# Altium PCB PC104_M7_4L.PcbDoc (part 1 of 3)
Units mil, origin at the board's own origin, x right, y up, seen from the top; angles counter-clockwise.
Board outline 3550 x 3775.2 mil, 4 copper layers (Top Layer, Layer 1, Layer 2, Bottom Layer), stack 59.772 mil thick; 122 components, 127 nets, 614 pads, 468 vias.
Unrouted connection lines stored in the file: 7.
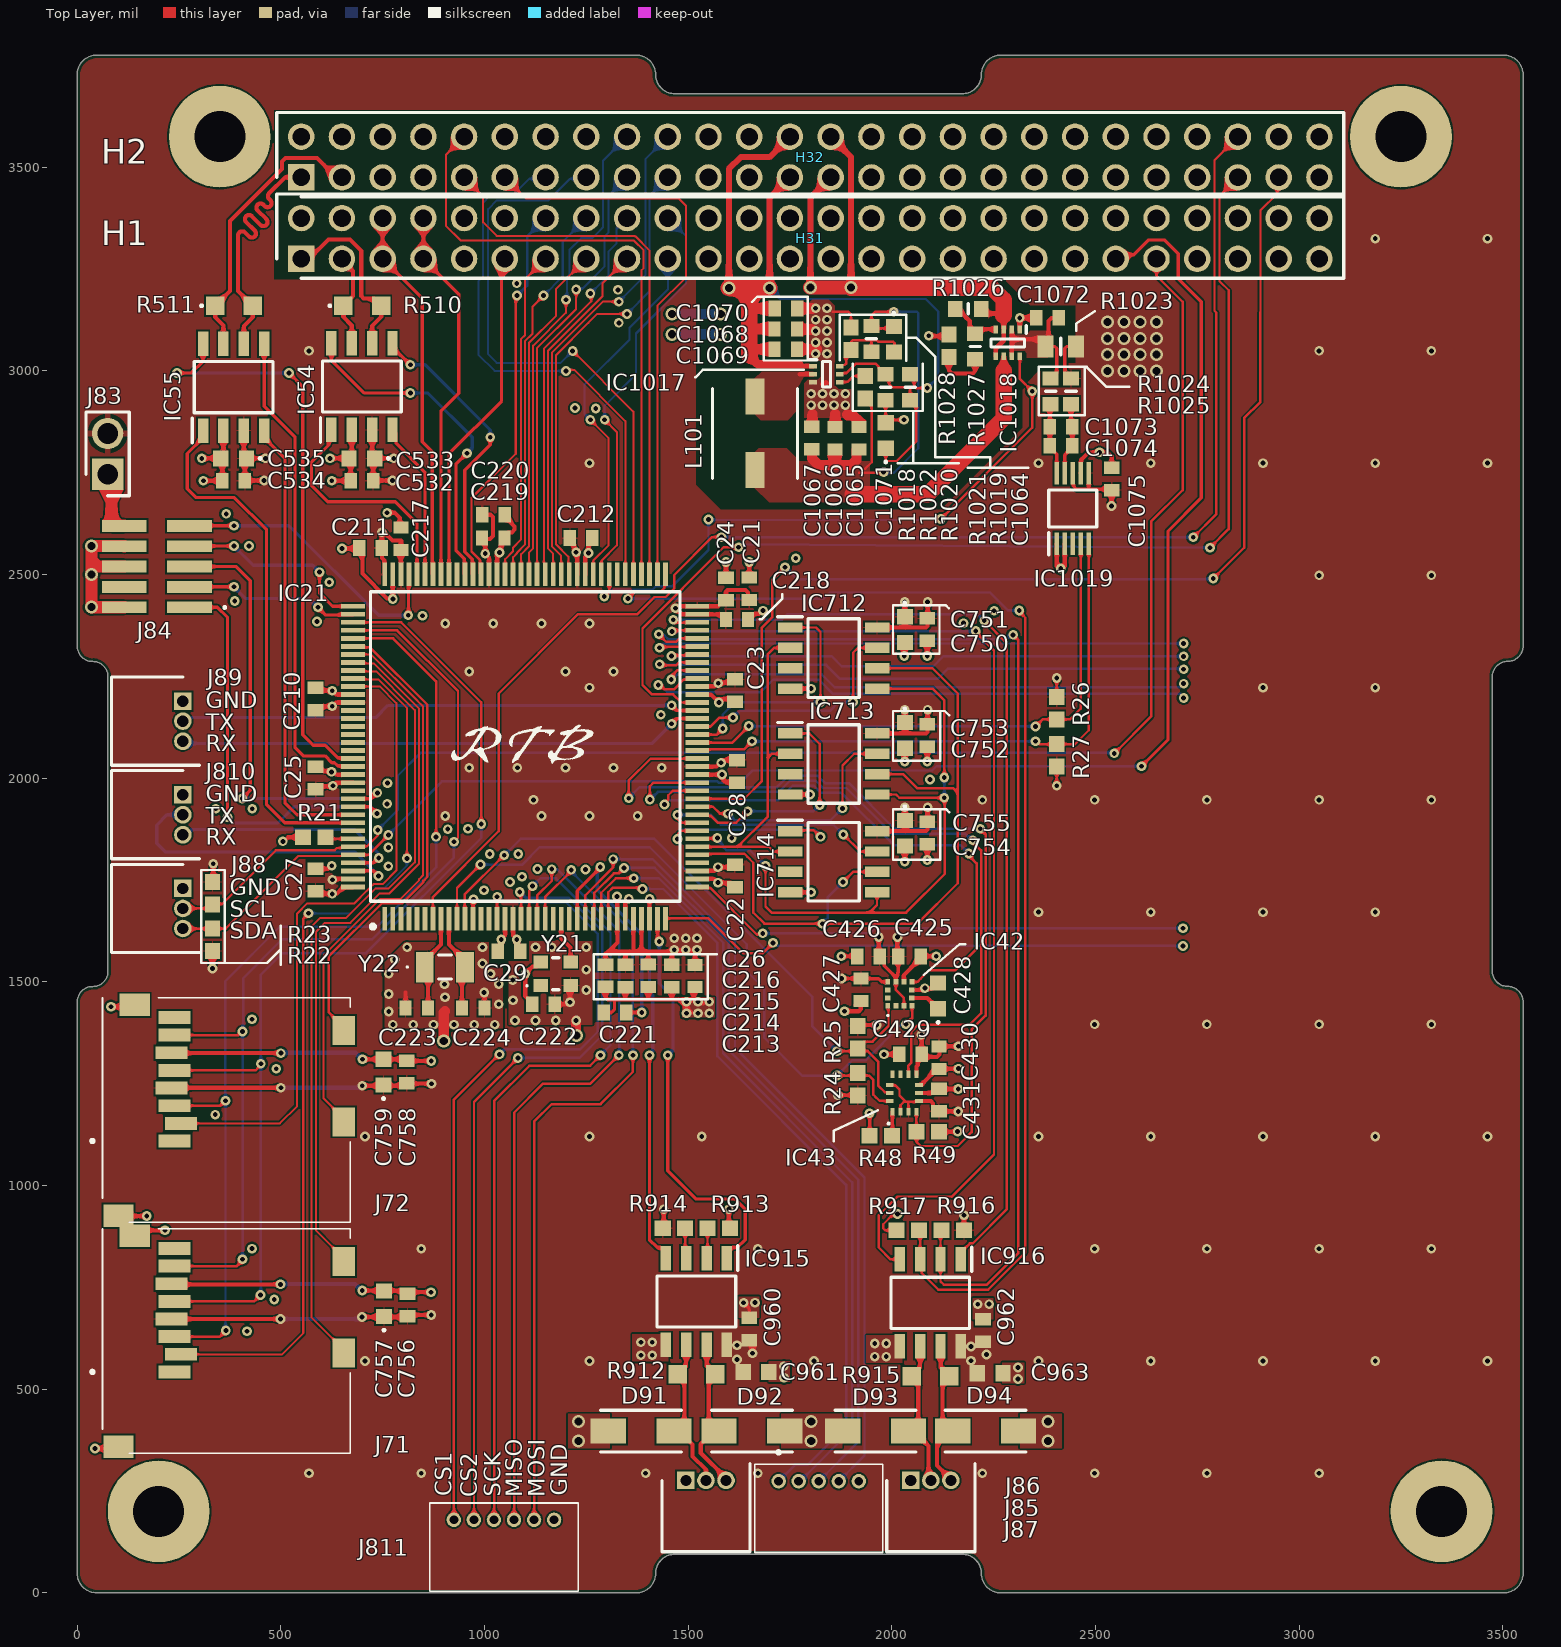
[diagram p0: Top Layer view]
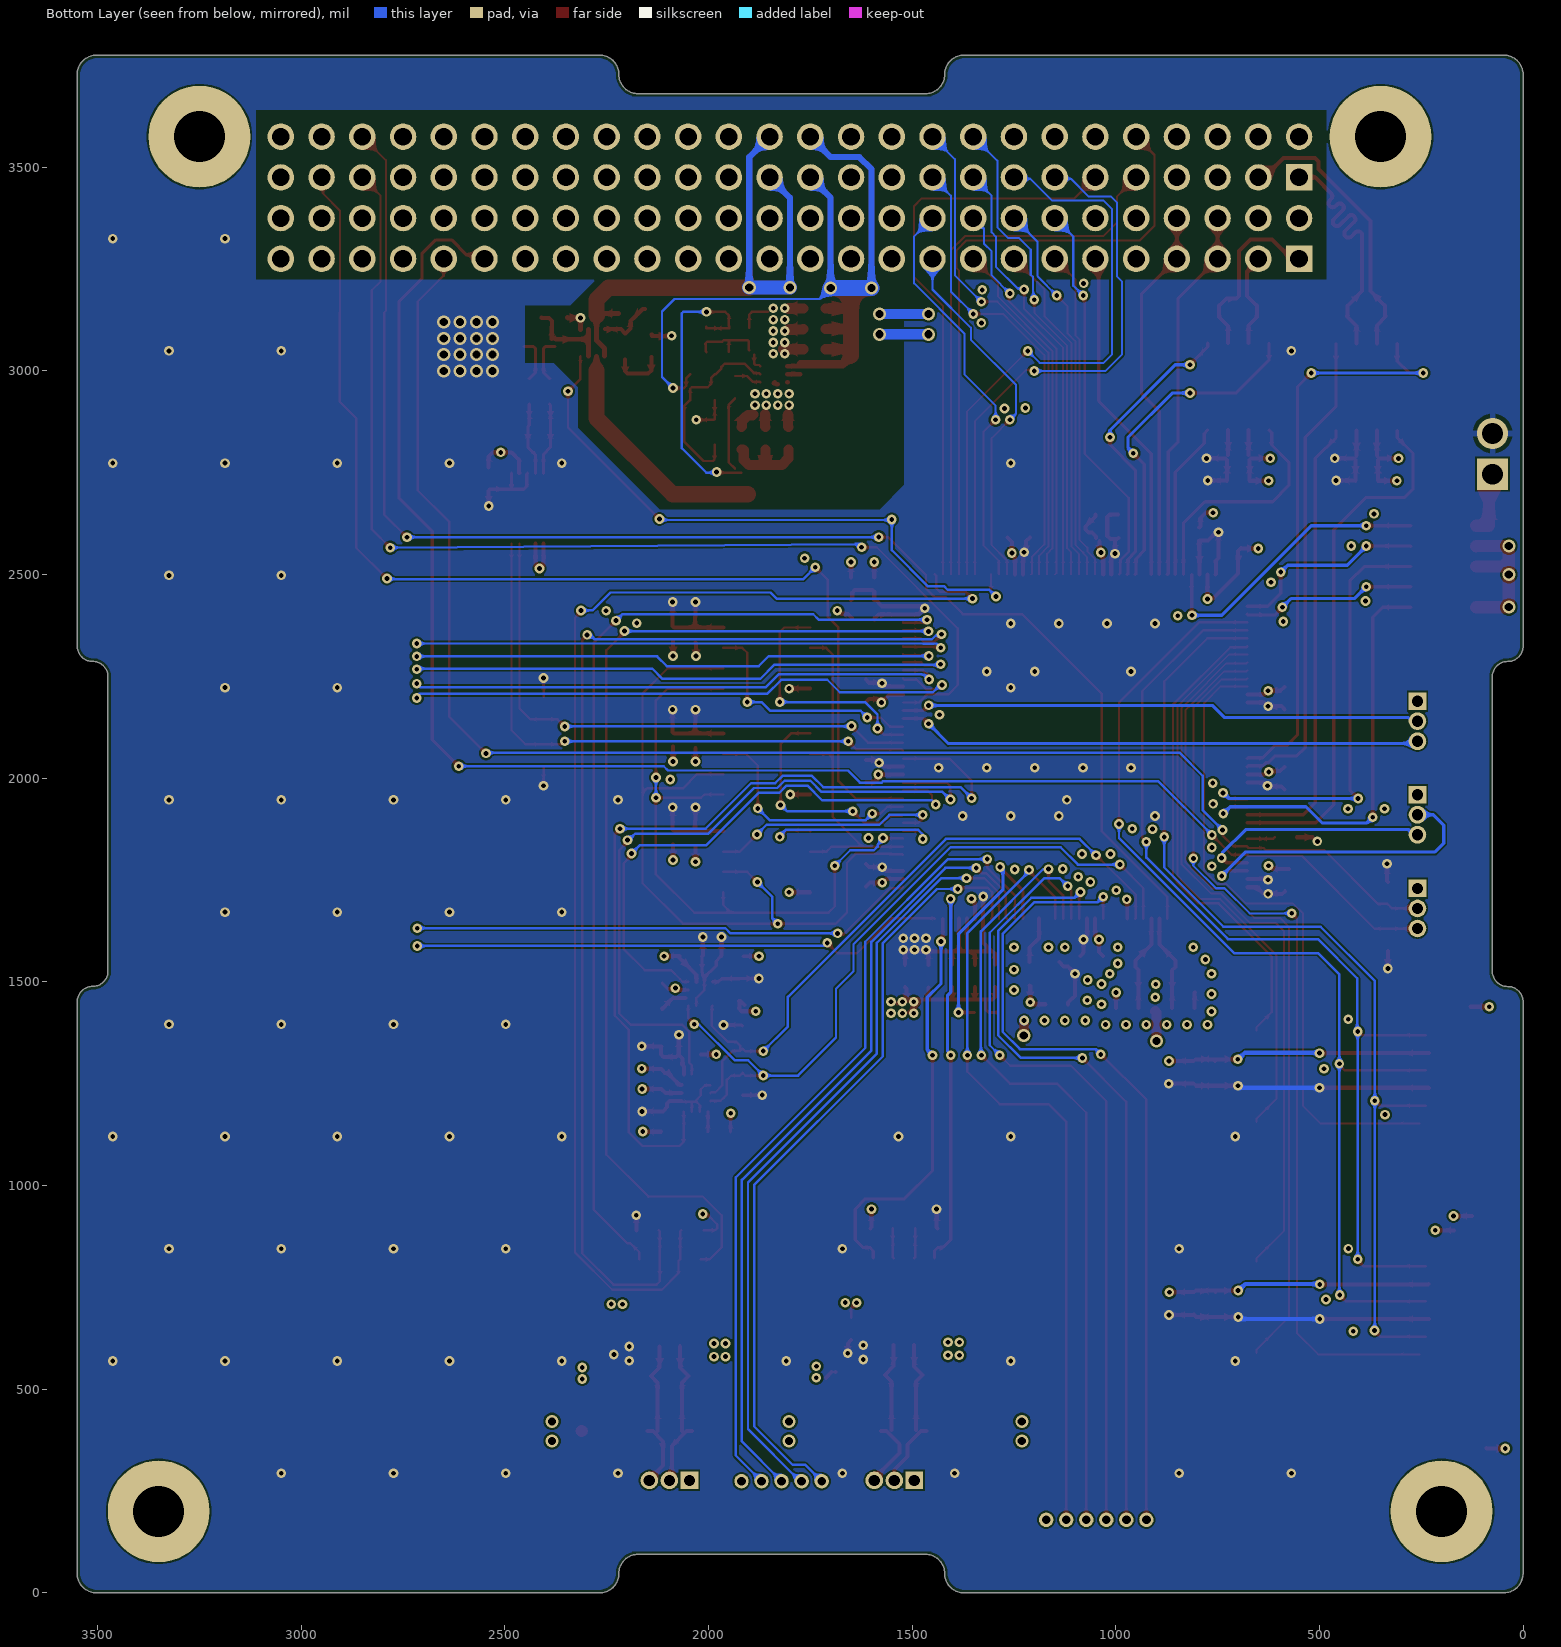
[diagram p1: Bottom Layer view, seen from below]
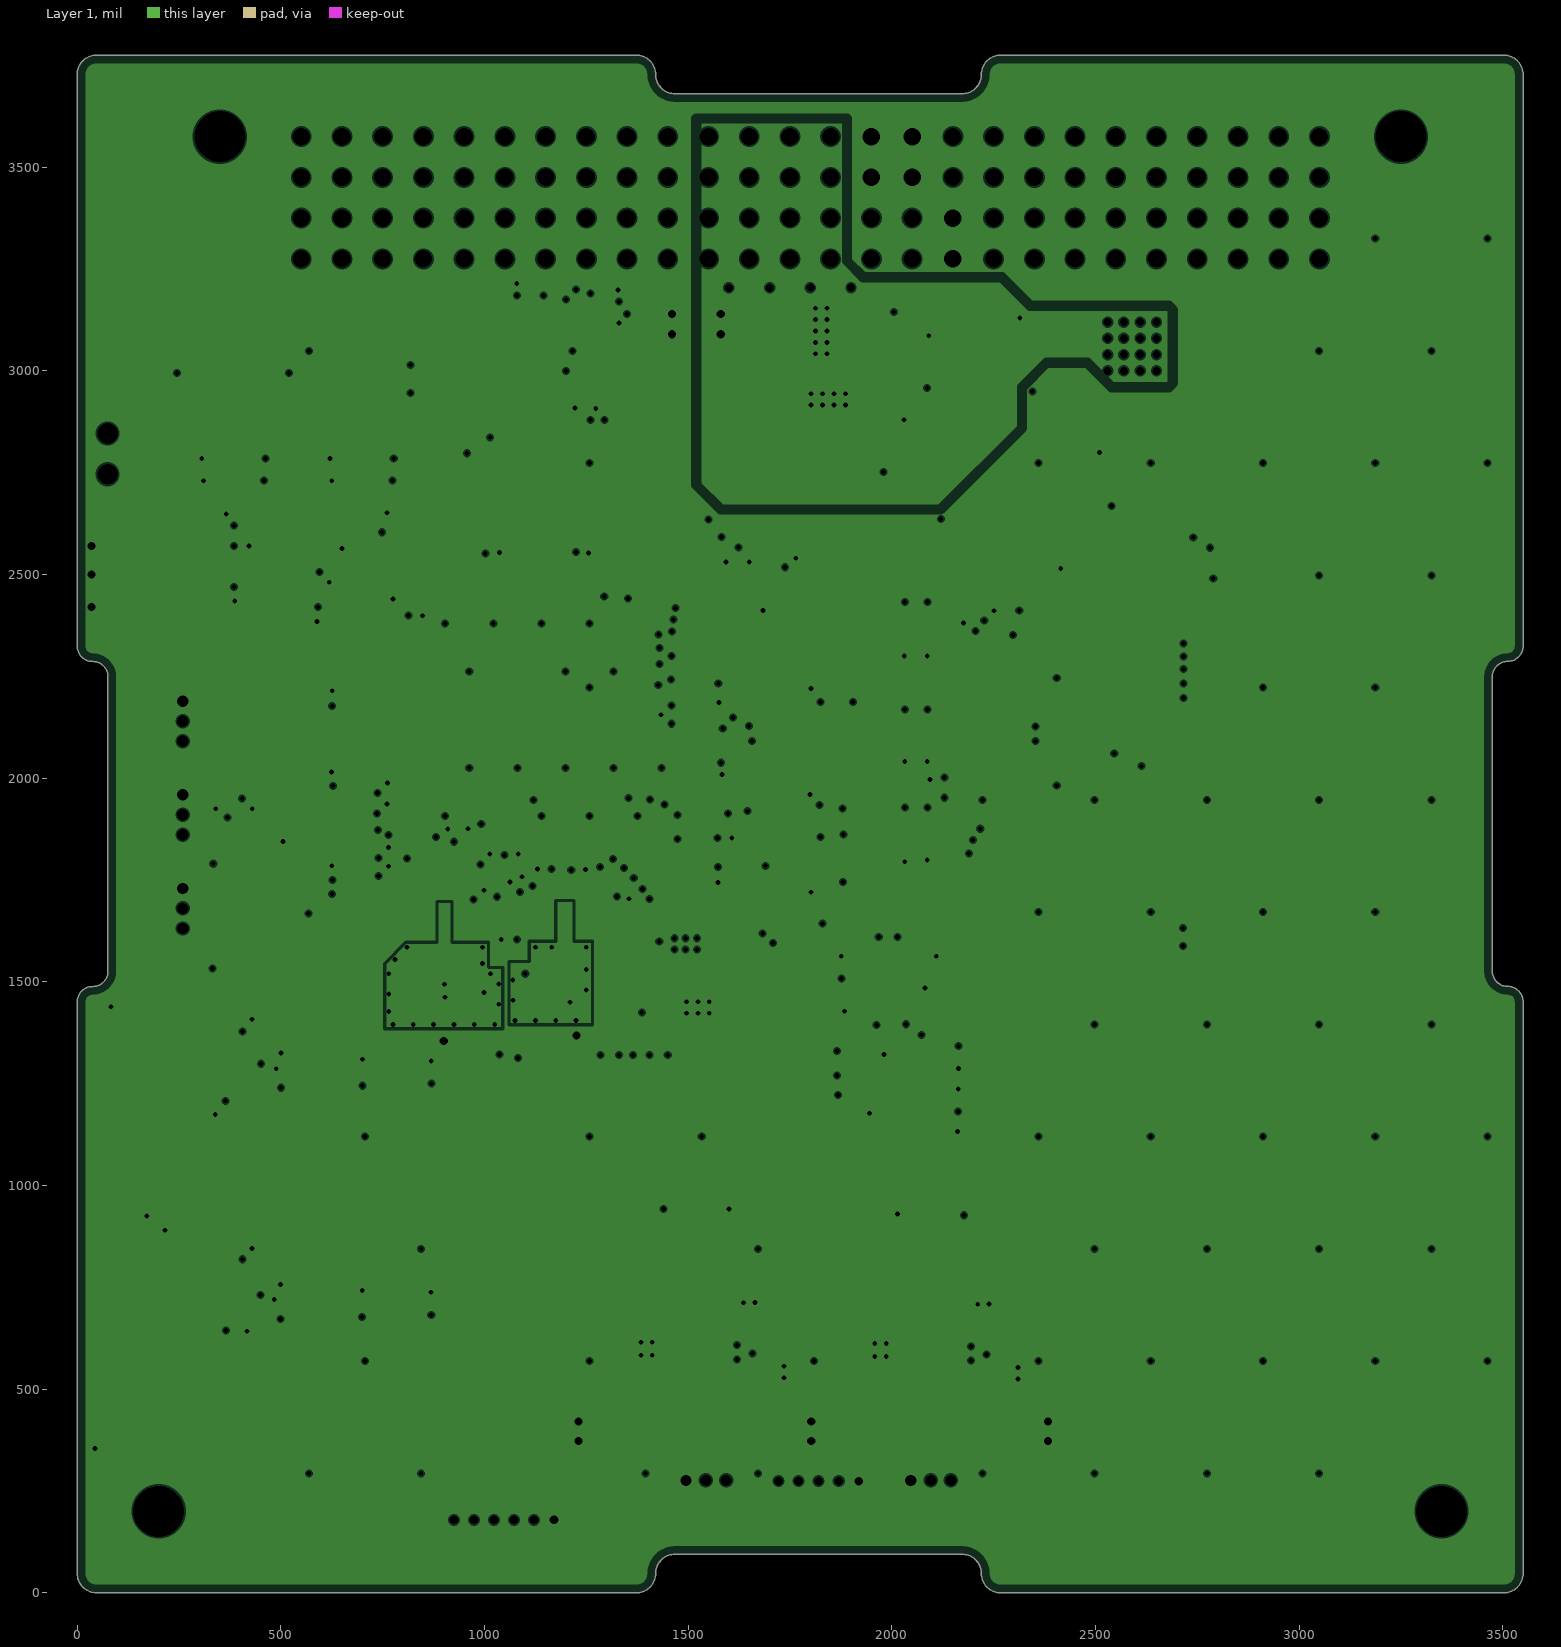
[diagram p2: Layer 1, clearances drawn from the general rule]
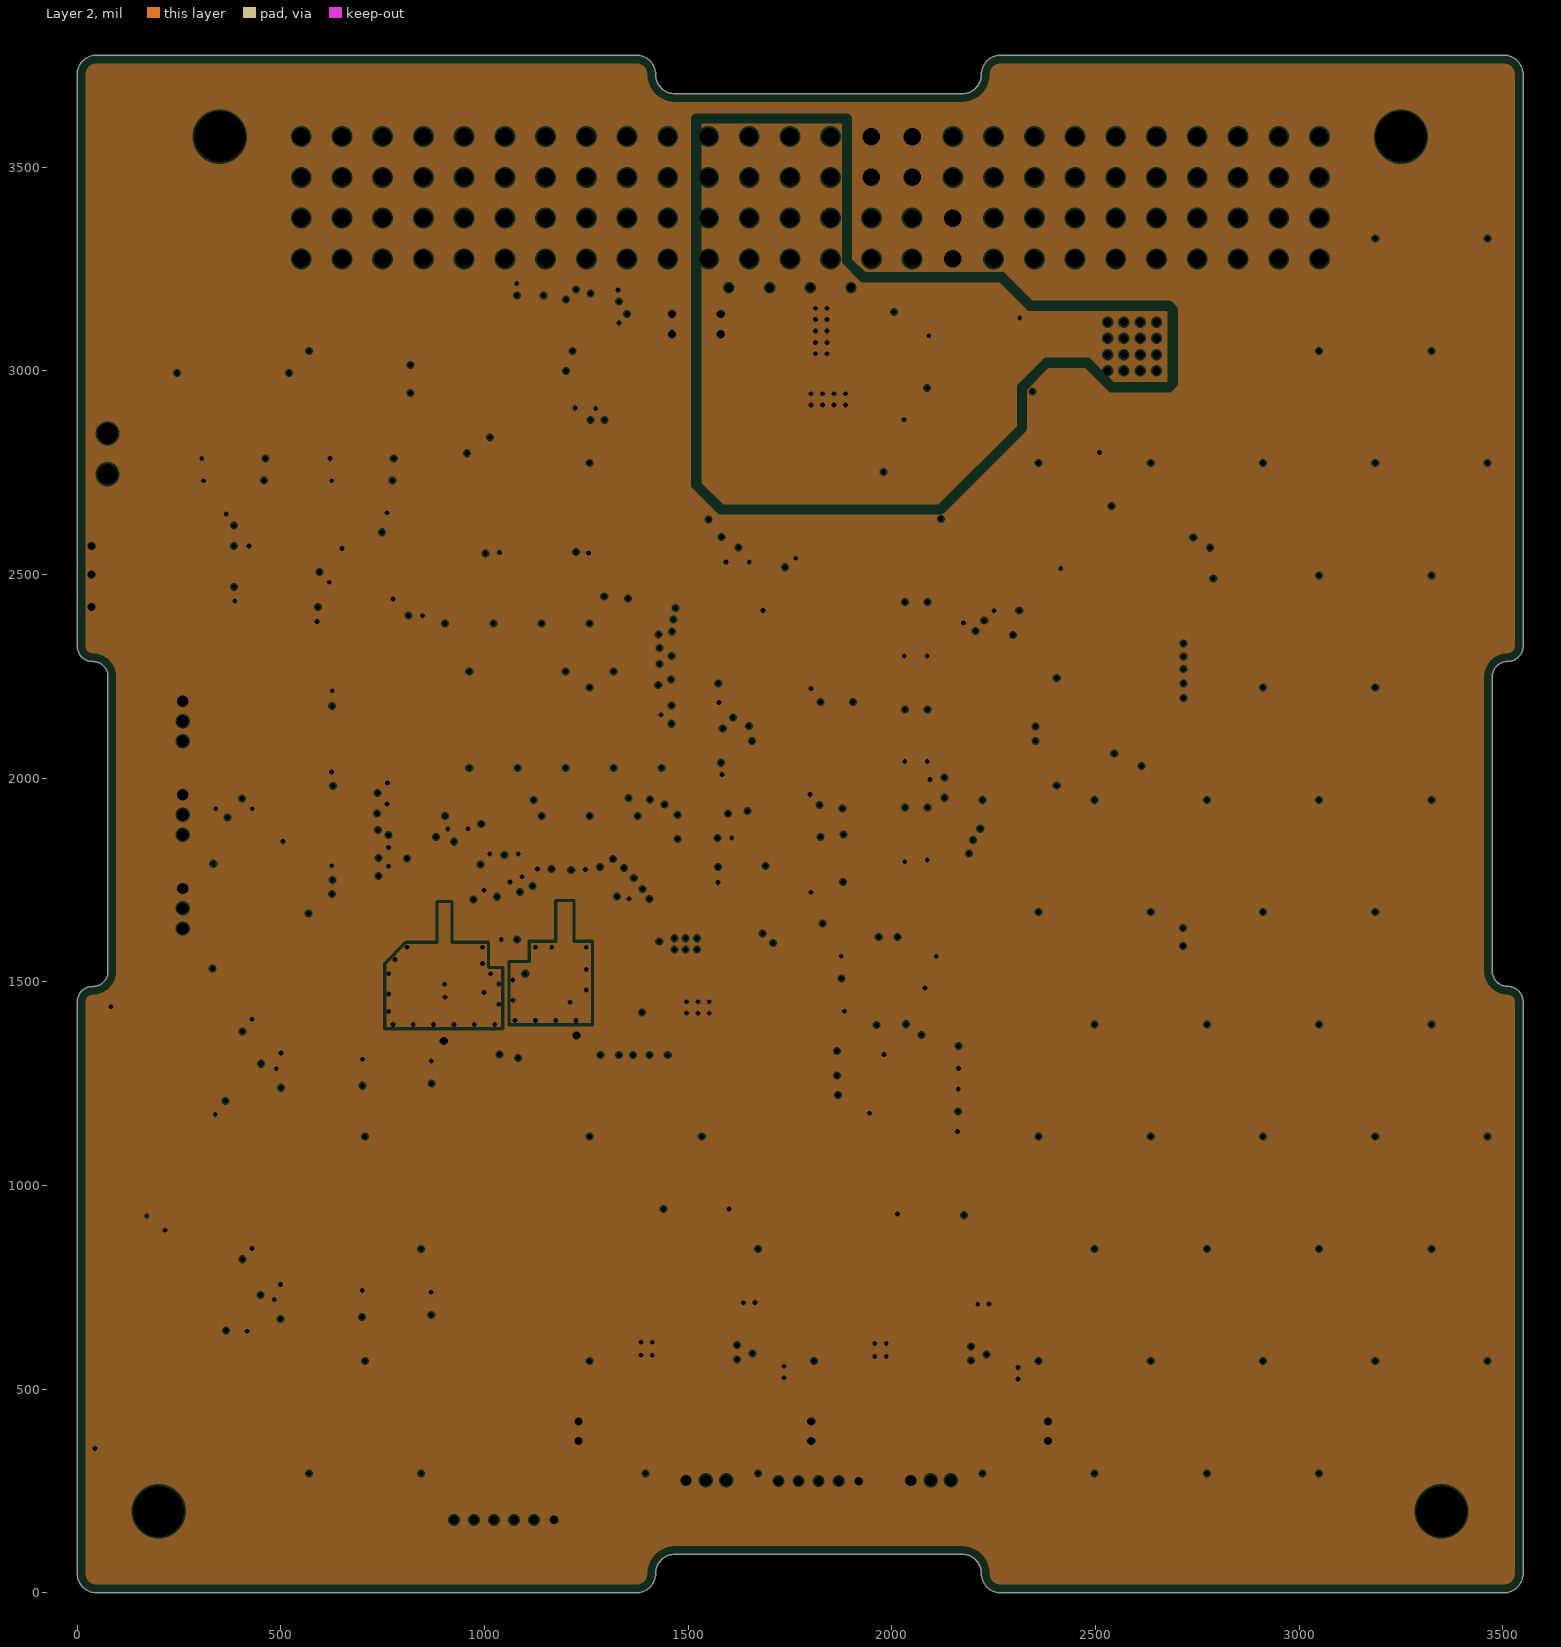
[diagram p3: Layer 2, clearances drawn from the general rule]
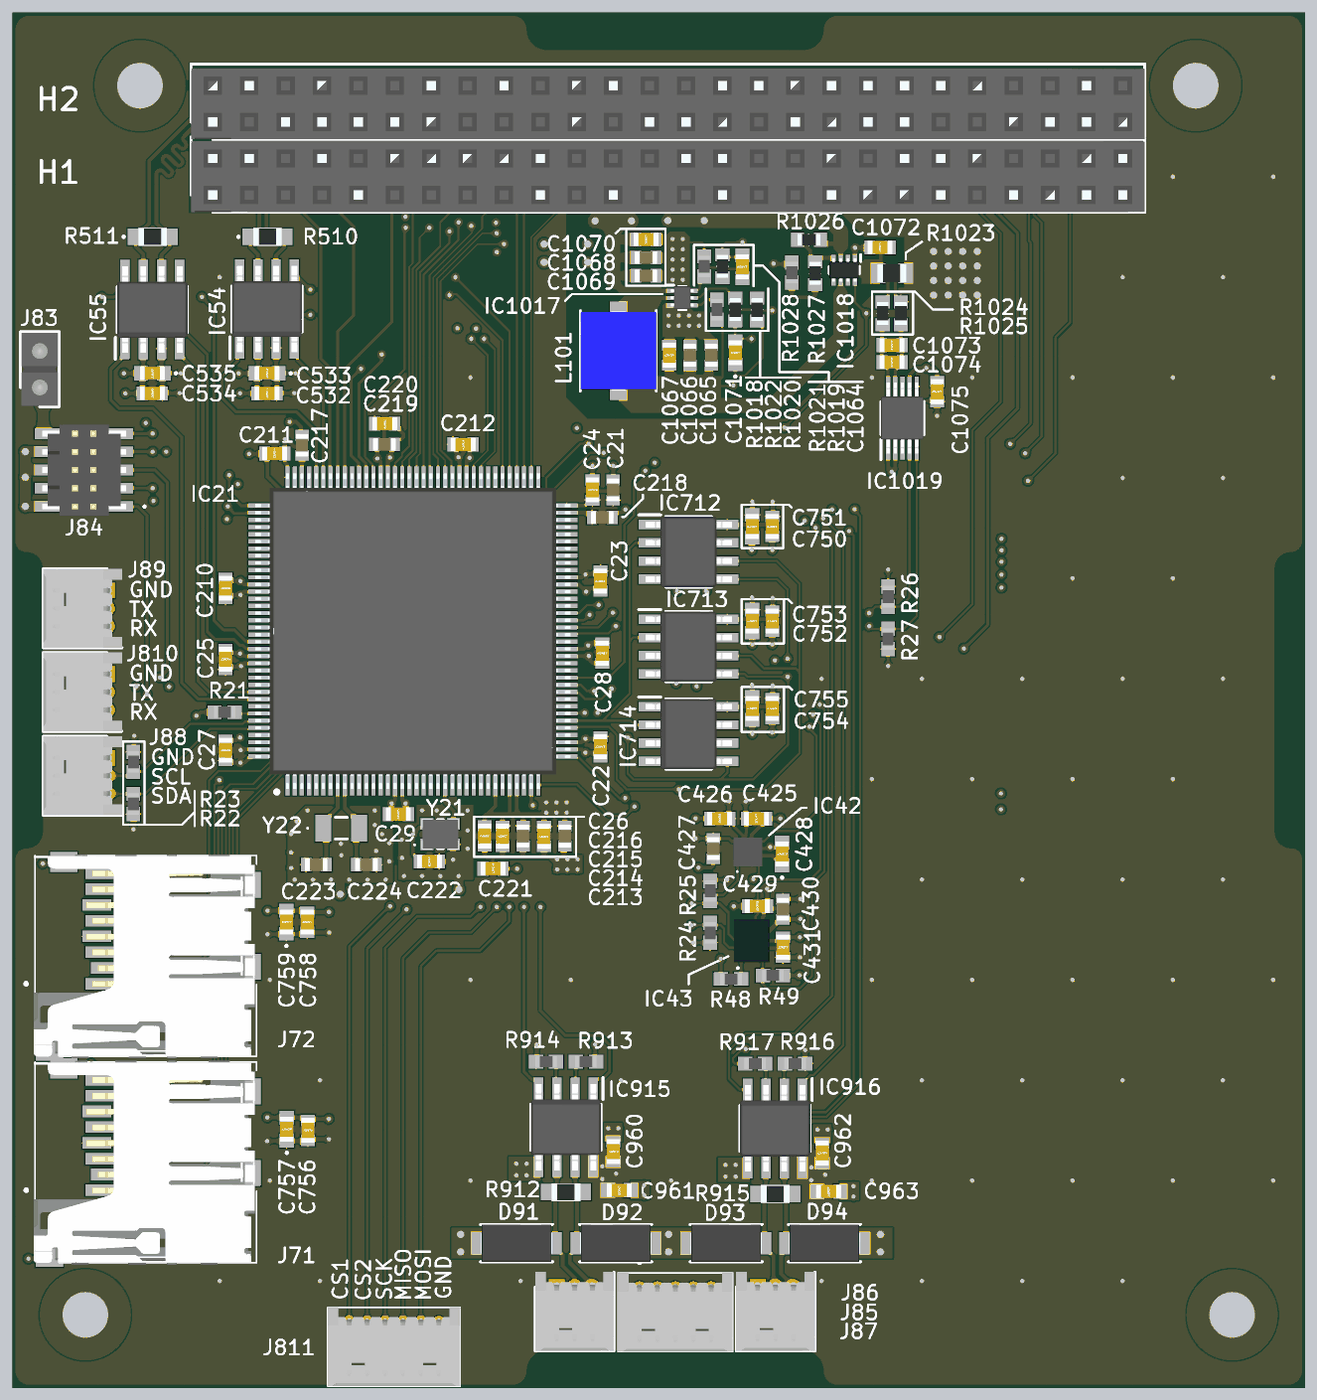
[diagram p6: 3D render of the assembled board from above, using the file's embedded part models]

## Layer stack, top to bottom
Top Solder: solder mask 1.2, Solder Resist, Dk 3.8
Top Layer: signal copper 1.378
Dielectric 1: prepreg 3.0079, PP-008, Dk 3.91
Layer 1: plane copper 0.5984, net GND
Dielectric 2: core 49.8031, Core-005, Dk 4.6
Layer 2: plane copper 0.5984, net GND
Dielectric 3: prepreg 3.0079, PP-008, Dk 3.91
Bottom Layer: signal copper 1.378
Bottom Solder: solder mask 1.2, Solder Resist, Dk 3.8

## Board outline
0,47.24 0,1450.79 cw(c37.8,1450.79) 37.8,1488.58 ccw(c37.8,1526.38) 75.59,1526.38 75.59,2248.82 ccw(c37.8,2248.82) 37.8,2286.61 cw(c37.8,2324.41) 0,2324.41 0,3727.95 cw(c47.24,3727.95) 47.24,3775.2 1372.83,3775.2 cw(c1372.83,3727.95) 1420.08,3727.95 ccw(c1467.32,3727.95) 1467.32,3680.71 2172.83,3680.71 ccw(c2172.83,3727.95) 2220.08,3727.95 cw(c2267.32,3727.95) 2267.32,3775.2 3502.76,3775.2 cw(c3502.76,3727.95) 3550,3727.95 3550,2324.61 cw(c3512.2,2324.61) 3512.2,2286.81 ccw(c3512.2,2249.02) 3474.41,2249.02 3474.41,1526.57 ccw(c3512.2,1526.57) 3512.2,1488.78 cw(c3512.2,1450.98) 3550,1450.98 3550,47.24 cw(c3502.76,47.24) 3502.76,0 2267.32,0 cw(c2267.32,47.24) 2220.08,47.24 ccw(c2172.83,47.24) 2172.83,94.49 1467.32,94.49 ccw(c1467.32,47.24) 1420.08,47.24 cw(c1372.83,47.24) 1372.83,0 47.24,0 cw(c47.24,47.24)

## Design rules (kind name [scope] priority, off if disabled: settings)
BoardOutlineClearance [All] p1: gap=7.87 ignorepadtopadclearanceinfootprint=FALSE
Clearance [All] p1: gap=4 ignorepadtopadclearanceinfootprint=TRUE except(5: Arc-Arc Arc-Track Arc-Via Track-Track Track-Via SMDPad-Via THPad-Via Via-Via Via-Fill Via-Poly Via-Region Via-Text; 7.48: SMDPad-SMDPad; 10: Arc-Hole Track-Hole SMDPad-Hole THPad-Hole Via-Hole Fill-Hole Poly-Hole Region-Hole Text-Hole)
ComponentClearance [All] p1: gap=4 collisioncheckmode=3 verticalgap=4 showdistances=TRUE
DiffPairsRouting [All] p1: maxlimit=4 minlimit=4 mostfreqgap=4 toplayer_minwidth=4 toplayer_maxwidth=71497.94 toplayer_prefwidth=4 bottomlayer_minwidth=4 bottomlayer_maxwidth=71497.94 bottomlayer_prefwidth=4 maxuncoupledlength=500
Height [All] p1: minheight=0 maxheight=71497.94 prefheight=500
HoleSize [All] p1: absolutevalues=TRUE maxlimit=248.03 minlimit=7.87 maxpercent=80.000 minpercent=20.000
HoleToHoleClearance [All] p1: gap=10 allowstackedmicrovias=FALSE
MinimumAnnularRing [All] p1: minimumring=6
MinimumSolderMaskSliver [All] p1: minsoldermaskwidth=5
PlaneClearance [All] p1: clearance=4
PlaneConnect PlaneConnectPowerPads [InPadClass('PowerPads')] p1: planeconnectstyle=Direct reliefexpansion=20 reliefentries=4 reliefconductorwidth=10 reliefairgap=10
PlaneConnect [All] p2: pad.planeconnectstyle=Relief pad.reliefexpansion=11.81 pad.reliefentries=4 pad.reliefconductorwidth=4 pad.reliefairgap=4 via.planeconnectstyle=Direct via.reliefexpansion=11.81 via.reliefentries=4 via.reliefconductorwidth=5 via.reliefairgap=5
PolygonConnect PolygonConnectPowerPads [All vs (InPadClass('PowerPads'))] p1: connectstyle=Direct reliefconductorwidth=10 reliefentries=4 polygonreliefangle="90 Angle" airgapwidth=10
PolygonConnect [All] p2: thpad.connectstyle=Relief thpad.reliefconductorwidth=4 thpad.reliefentries=4 thpad.polygonreliefangle="90 Angle" thpad.airgapwidth=4 smdpad.connectstyle=Relief smdpad.reliefconductorwidth=4 smdpad.reliefentries=4 smdpad.polygonreliefangle="90 Angle" smdpad.airgapwidth=4 via.connectstyle=Direct via.reliefconductorwidth=5 via.reliefentries=4 via.polygonreliefangle="90 Angle" via.airgapwidth=5
RoutingVias [All] p1: holewidth=7.87 width=17.72 viastyle="Through Hole" minholewidth=7.87 minwidth=17.72 maxholewidth=248.03 maxwidth=257.87
SilkToSilkClearance [All] p1: silktosilkclearance=5
SilkToSolderMaskClearance [IsPad] p1: minsilkscreentomaskgap=5 clearancetoexposedcopper=TRUE
SolderMaskExpansion SolderMaskExpansion_Via [IsVia] p1: expansion=2 istentingtop=TRUE useseparateexpansions=TRUE expansionbottom=2 istentingbottom=TRUE
SolderMaskExpansion [All] p2: expansion=2 istentingtop=FALSE useseparateexpansions=TRUE expansionbottom=0 istentingbottom=FALSE
UnRoutedNet [All] p1: checkbadconnections=TRUE
Width Width_6mil [All] p1: maxlimit=1000 minlimit=4 preferedwidth=6 minimp=50.000000 maximp=50.000000 favimp=50.000000
19 further rules are at their usual default settings.

## Classes and differential pairs
component class RS485: C960 C961 C962 C963 D91 D92 D93 D94 IC915 IC916 R912 R913 R914 R915 R916 R917
component class Power: C1064 C1065 C1066 C1067 C1068 C1069 C1070 C1071 C1072 C1073 C1074 C1075 IC1017 IC1018 IC1019 L101 R1018 R1019 R1020 R1021 R1022 R1023 R1024 R1025 R1026 R1027 R1028
component class MemoryStorage: C750 C751 C752 C753 C754 C755 C756 C757 C758 C759 IC712 IC713 IC714 J71 J72
component class MCU: C21 C22 C23 C24 C25 C26 C27 C28 C29 C210 C211 C212 C213 C214 C215 C216 C217 C218 C219 C220 C221 C222 C223 C224 IC21 R21 R22 R23 R24 R25 R26 R27 Y21 Y22
component class ExternalConnectors: J83 J84 J85 J86 J87 J88 J89 J810 J811
component class CAN: C532 C533 C534 C535 IC54 IC55 R510 R511
component class BoardConnectors: H31 H32
component class AOCS: C425 C426 C427 C428 C429 C430 C431 IC42 IC43 R48 R49
differential pair RS485_2: +RS485_2_P -RS485_2_N
differential pair RS485_1: +RS485_1_P -RS485_1_N
differential pair FDCAN2: +FDCAN2_P -FDCAN2_N
differential pair FDCAN1: +FDCAN1_P -FDCAN1_N

## Components (designator, comment, footprint, x,y, rotation, side; value= is the part's Value field where it differs from the comment)
C21 "4.7uF" CAPC1608X90N 1650,2465 r90 top (schematic designator C1)
C22 "100nF" CAPC1608X95N 1615,1760 r270 top (schematic designator C2)
C23 "100nF" CAPC1608X95N 1615,2215 r270 top (schematic designator C3)
C24 "100nF" CAPC1608X95N 1593,2465 r90 top (schematic designator C4)
C25 "100nF" CAPC1608X95N 585,2000 r90 top (schematic designator C5)
C26 "100nF" CAPC1608X95N 1297,1515 r270 top (schematic designator C6)
C27 "100nF" CAPC1608X95N 585,1750 r90 top (schematic designator C7)
C28 "100nF" CAPC1608X95N 1620,2017 r270 top (schematic designator C8)
C29 "100nF" CAPC1608X95N 1060,1575 r180 top (schematic designator C9)
C210 "100nF" CAPC1608X95N 585,2195 r90 top (schematic designator C10)
C211 "100nF" CAPC1608X95N 720,2565 r180 top (schematic designator C11)
C212 "100nF" CAPC1608X95N 1237.44,2590 r0 top (schematic designator C12)
C213 "1uF" CAPC1608X90N 1517.02,1514.42 r270 top (schematic designator C13)
C214 "100nF" CAPC1608X95N 1460.02,1513.98 r270 top (schematic designator C14)
C215 "1uF" CAPC1608X90N 1402.02,1514.98 r270 top (schematic designator C15)
C216 "100nF" CAPC1608X95N 1346.02,1514.42 r270 top (schematic designator C16)
C217 "2.2uF" CAPC1608X90N 795,2587.56 r90 top (schematic designator C17)
C218 "2.2uF" CAPC1608X90N 1620,2390 r0 top (schematic designator C18)
C219 "1uF" CAPC1608X90N 1021.44,2590 r0 top (schematic designator C19)
C220 "100nF" CAPC1608X95N 1022,2647 r0 top (schematic designator C20)
C221 "100nF" CAPC1608X95N 1320,1425 r180 top (schematic designator C21)
C222 "100nF" CAPC1608X95N 1145,1445 r0 top (schematic designator C22)
C223 "25pF" CAPC1608X90N 834,1436 r180 top (schematic designator C23)
C224 "25pF" CAPC1608X90N 972,1436 r0 top (schematic designator C24)
C425 "100nF" CAPC1608X95N 2043.37,1562.47 r0 top (schematic designator C25)
C426 "100nF" CAPC1608X95N 1942.37,1562.47 r180 top (schematic designator C26)
C427 "10uF" CAPC1608X90N 1924.81,1480.31 r270 top (schematic designator C27)
C428 "220nF" C0603 2113.84,1465.47 r90 top (schematic designator C28)
C429 "100nF" CAPC1608X95N 2046.03,1322 r180 top (schematic designator C29)
C430 "10uF" CAPC1608X90N 2116,1313.61 r270 top (schematic designator C30)
C431 "100nF" CAPC1608X95N 2116,1209.44 r90 top (schematic designator C31)
C532 "100nF" CAPC1608X95N 699.06,2730.31 r180 top locked (schematic designator C32)
C533 "0.01uF" C0603 699.06,2785.31 r180 top locked (schematic designator C33)
C534 "100nF" CAPC1608X95N 384.06,2730.31 r180 top locked (schematic designator C34)
C535 "0.01uF" C0603 384.06,2785.31 r180 top locked (schematic designator C35)
C750 "100nF" CAPC1608X95N 2087,2365 r270 top (schematic designator C50)
C751 "0.01uF" C0603 2032,2365 r270 top (schematic designator C51)
C752 "100nF" CAPC1608X95N 2087,2105 r270 top (schematic designator C52)
C753 "0.01uF" C0603 2032,2105 r270 top (schematic designator C53)
C754 "100nF" CAPC1608X95N 2087,1865 r270 top (schematic designator C54)
C755 "0.01uF" C0603 2032,1865 r270 top (schematic designator C55)
C756 "100nF" CAPC1608X95N 811.17,706.3 r90 top (schematic designator C56)
C757 "0.01uF" C0603 753.17,709.8 r90 top (schematic designator C57)
C758 "100nF" CAPC1608X95N 809.17,1278.3 r90 top (schematic designator C58)
C759 "0.01uF" C0603 752.17,1278.3 r90 top (schematic designator C59)
C960 "100nF" CAPC1608X95N 1650,648 r90 top (schematic designator C60)
C961 "0.01uF" C0603 1666.59,542 r0 top (schematic designator C61)
C962 "100nF" CAPC1608X95N 2224,644 r90 top (schematic designator C62)
C963 "0.01uF" C0603 2241.34,539 r0 top (schematic designator C63)
C1064 "30pF" C0603 2004.94,3077.66 r270 top locked (schematic designator C64)
C1065 "22uF" CAPC1608X90N 1919.36,2835 r90 top locked (schematic designator C65)
C1066 "22uF" CAPC1608X90N 1860.36,2835 r90 top locked (schematic designator C66)
C1067 "100nF" CAPC1608X95N 1803.8,2835 r90 top locked (schematic designator C67)
C1068 "10uF" CAPC1608X90N 1739.78,3103.25 r0 top locked (schematic designator C68)
C1069 "10uF" CAPC1608X90N 1739.78,3053.25 r0 top locked (schematic designator C69)
C1070 "100nF" CAPC1608X95N 1739.78,3153.25 r0 top locked (schematic designator C70)